# Altium PCB LimeSDR_Mini_1v2_Rounded.PcbDoc (part 2 of 5) (continued)
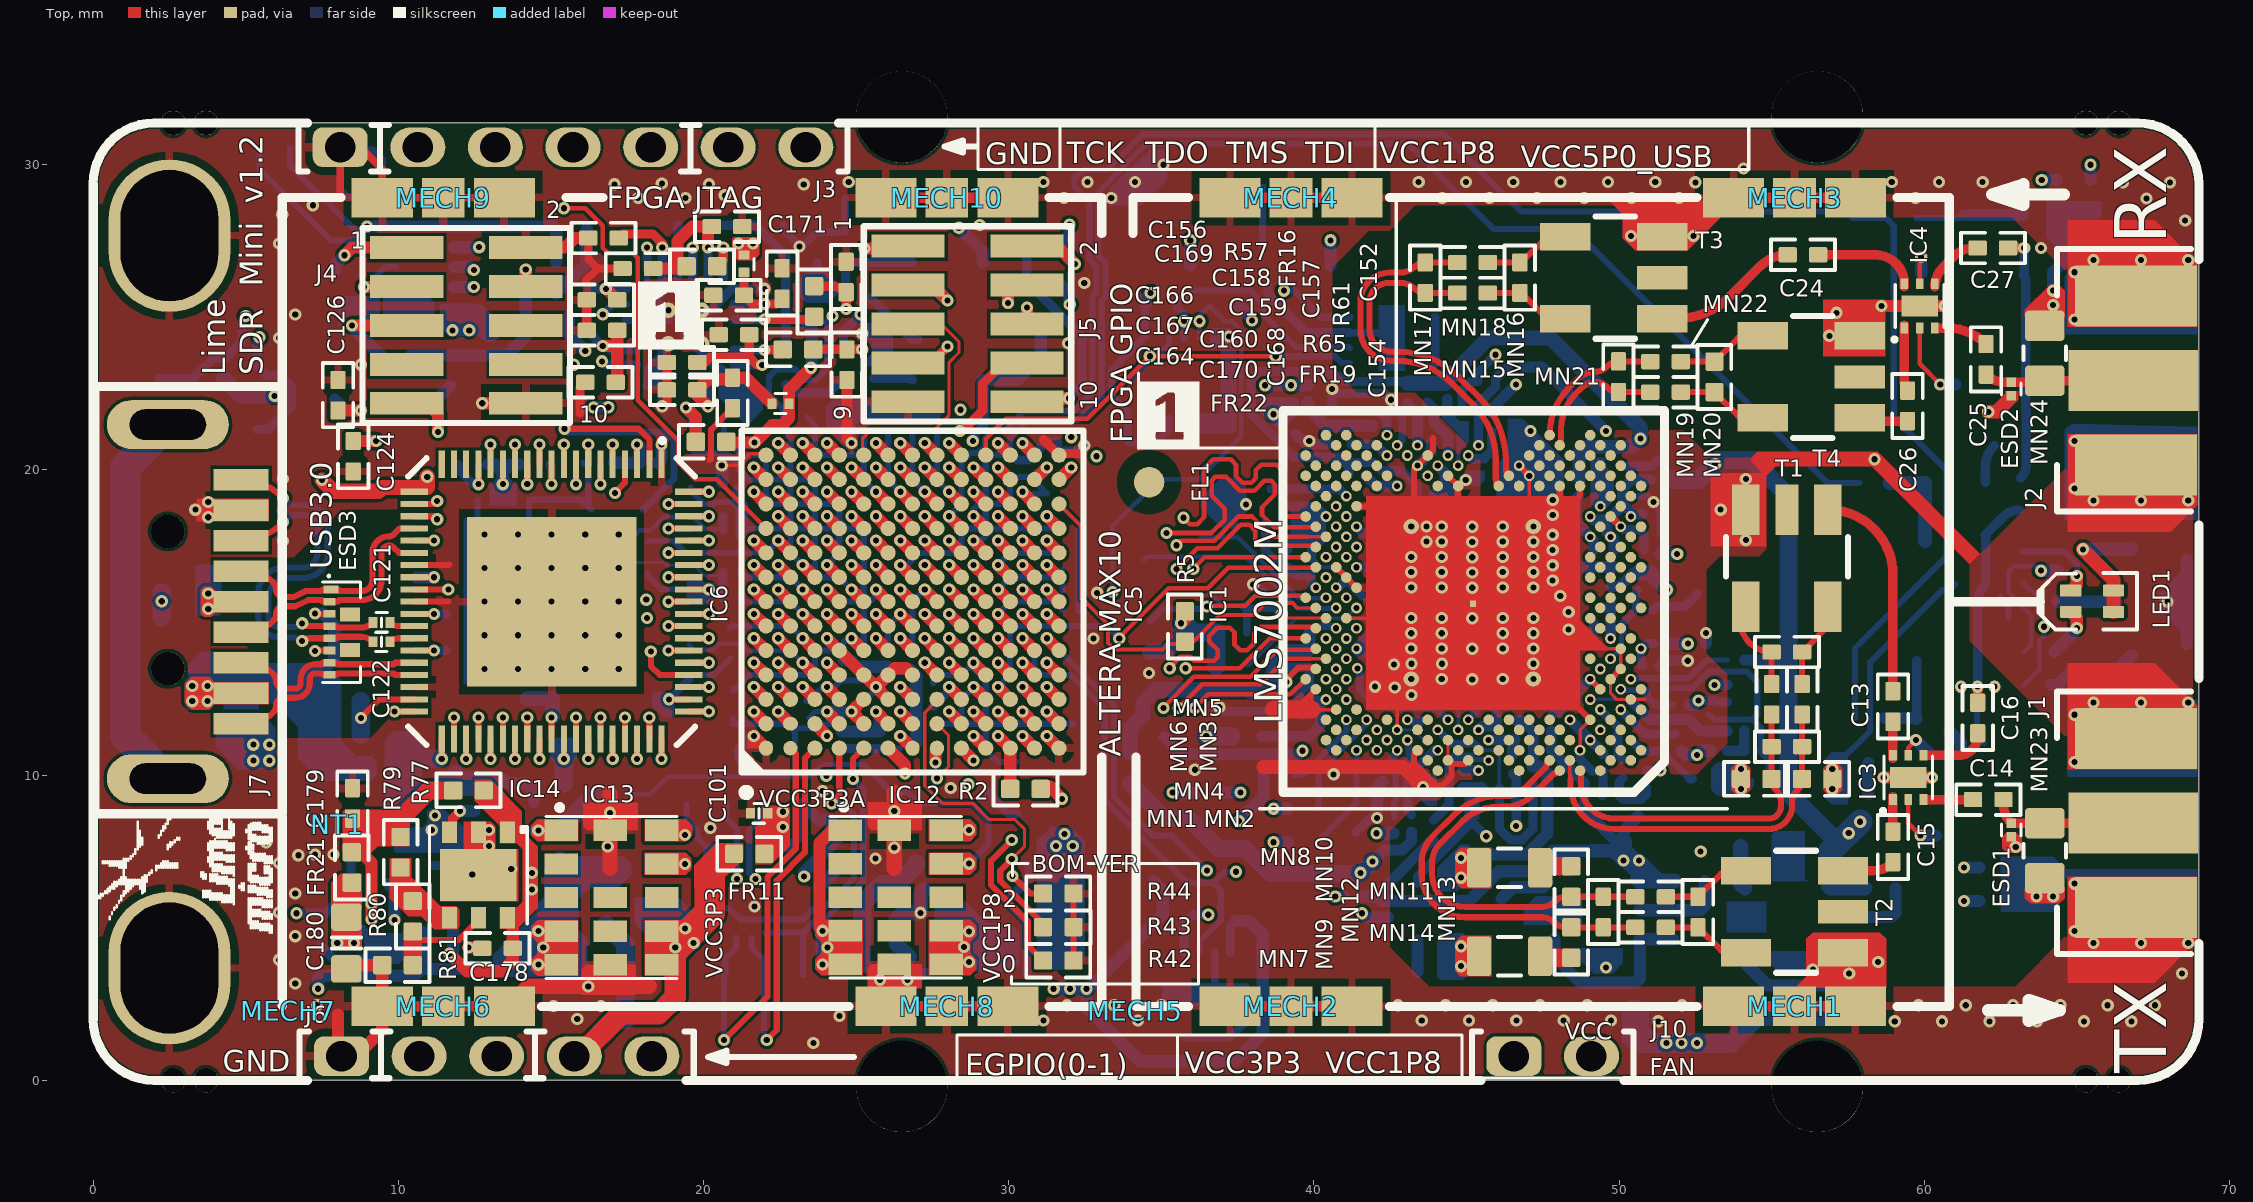
[diagram p0: Top view]
## Nets (pads, with @x,y where several pads share a name; then routed paths per layer and width w, separated by ;. In a path a pad name is that pad's centre, name@x,y a point inside that pad or via, vN(x,y) a via of type N, cw(c..) or ccw(c..) an arc to the next point about the centre after c; other vN are vias at no path point) (continued)
FPGA_GPIO0: IC5.A11 J5.1 | length 12.7
  Top w0.4: v2(21.65,19.285) IC5.A11@22.05,18.885 ; v1(25.275,27.26) J5.1@26.7,27.26
  L5 w0.1: v2(21.65,19.285) 21.1,19.835 21.1,20.317 20.92,20.497 20.92,21.216 22.475,22.771 22.475,23.675 22.65,23.85 22.65,25.675 23.95,26.975 24.99,26.975 v1(25.275,27.26)
FPGA_GPIO1: IC5.B10 J5.2 | length 20.7
  Top w0.4: v2(22.45,18.485) IC5.B10@22.85,18.085 ; J5.2@30.6,27.335 31.59,27.335 v1(32.175,26.75)
  L5 w0.1: v2(22.45,18.485) 22.1,18.835 22.1,19.33 21.795,19.635 21.605,19.635 21.3,19.94 21.3,20.4 21.12,20.58 21.12,21.133 22.675,22.688 22.675,23.592 22.85,23.767 22.85,25.592 24.008,26.75 v1(32.175,26.75)
FPGA_GPIO2: IC5.C10 J5.3 | length 16.5
  Top w0.4: v2(23.25,18.485) IC5.C10@23.65,18.085 ; J5.3@26.7,26.06 27.49,26.06 v1(28,25.55)
  L5 w0.1: v2(23.25,18.485) 22.9,18.835 22.9,19.33 22.495,19.735 22.305,19.735 22.1,19.94 22.1,20.13 21.773,20.457 21.623,20.457 21.32,20.76 21.32,21.05 22.875,22.605 22.875,23.509 23.05,23.684 23.05,25.509 24.005,26.465 26.701,26.465 27.616,25.55 v1(28,25.55)
FPGA_GPIO3: IC5.D11 J5.4 | length 16.7
  Top w0.4: v2(24.05,19.285) IC5.D11@24.45,18.885 ; v1(29.975,25.475) J5.4@29.975,26.06
  L5 w0.1: v2(24.05,19.285) 23.6,19.735 23.105,19.735 22.8,20.04 22.8,20.23 22.595,20.435 22.405,20.435 22.1,20.74 22.1,21.547 23.075,22.522 23.075,23.426 23.25,23.601 23.25,25.426 24.088,26.265 26.618,26.265 27.808,25.075 29.575,25.075 v1(29.975,25.475)
FPGA_GPIO4: IC5.E13 J5.5 | length 8.2
  Top w0.1: IC5.E13@25.25,20.485 25.217,20.518 25.217,21.042 25.493,21.318 27.57,21.318 28.05,21.798 28.05,23.525 28.375,23.85 28.375,24.2 27.79,24.785 J5.5@26.7,24.785
FPGA_GPIO5: IC5.F13 J5.6 | length 18.5
  Top w0.4: v2(25.65,20.885) IC5.F13@26.05,20.485 ; J5.6@30.6,24.785 v1(30.6,25.325)
  L5 w0.1: v2(25.65,20.885) 25.3,20.535 25.3,20.04 24.995,19.735 23.905,19.735 23.7,19.94 23.7,20.13 23.295,20.535 23.105,20.535 22.85,20.79 22.85,22 23.9,23.05 23.9,23.55 23.45,24 23.45,25.344 24.156,26.05 26.55,26.05 27.725,24.875 29.87,24.875 30.32,25.325 v1(30.6,25.325)
FPGA_GPIO6: IC5.F10 J5.7 | length 15.3
  Top w0.3: J5.7@26.7,23.51 27.46,23.51 v1(28,24.05)
  Top w0.4: v2(25.65,18.485) IC5.F10@26.05,18.085
  L5 w0.1: v2(25.65,18.485) 26.075,18.91 26.075,21.8 25.8,22.075 25.042,22.075 24.3,22.817 24.3,23.716 23.85,24.166 23.85,25.178 24.297,25.625 26.409,25.625 27.984,24.05 v1(28,24.05)
FPGA_GPIO7: IC5.G10 J5.8 | length 8.6
  Top w0.3: v1@28.425,21.225 29.15,21.95 29.15,22.825 29.835,23.51 J5.8@30.6,23.51
  Top w0.4: v2(26.45,18.485) IC5.G10@26.85,18.085
  L5 w0.1: v2(26.45,18.485) 26.85,18.885 26.85,21.075 27.05,21.275 v1(28.4,21.275)
FPGA_I2C_SCL: IC5.D13 IC8.2 IC10.6 R66.2 | length 26.2
  Top w0.4: v2(24.05,20.885) IC5.D13@24.45,20.485
  L5 w0.1: v2(24.05,20.885) 24.1,20.935 24.1,23.633 23.65,24.083 23.65,25.261 24.239,25.85 26.467,25.85 27.692,24.625 35.5,24.625 v1(35.75,24.875)
  Bottom w0.2: R66.2@35.475,25.375 35.975,25.875 37.925,25.875 38.225,25.575 38.225,25.544 38.3,25.469 38.3,25.146 39.421,24.025 41.15,24.025 IC10.6@41.175,24
  Bottom w0.25: R66.2@35.475,25.375 35.75,25.1 v1(35.75,24.875) IC8.2@35.75,24.325
FPGA_I2C_SDA: IC5.K13 IC8.1 IC10.5 R64.2 | length 15.9
  Top w0.15: IC5.K13@29.192,20.543 IC5.K13@29.25,20.485 29.25,21.015 29.91,21.675 32.575,21.675 v1(34.625,23.725) v1(38.75,23.725)
  Bottom w0.2: R64.2@33.9,22.9 34.625,23.625 v1(34.625,23.725) 34.875,23.725 35.25,24.1 IC8.1@35.25,24.325 ; v1(38.75,23.725) 40.692,23.725 40.917,23.5 IC10.5@41.175,23.5
FPGA_JTAG_TCK: IC5.G2 J3.2 J4.1 R39.1 | length 45.4
  Top w0.4: v1(8.235,27.035) 8.485,27.285 J4.1@10.275,27.285 ; v2(26.45,12.085) IC5.G2@26.85,11.685
  L4 w0.1: v1(8.235,27.035) 8.525,26.745 8.525,25.209 9.567,24.167 10.012,23.72 10.012,19.87 10.425,19.458 10.425,10.683 11.283,9.825 12.369,9.825 12.844,9.35 20.217,9.35 21.967,7.6 23.675,7.6 25.75,9.675 25.75,11.385 v2(26.45,12.085)
  L6 w0.1: v1(8.235,27.035) 8.535,27.035 10.639,29.139 J3.2@10.639,30.475
  Bottom w0.4: R39.1@7.925,26.55 7.925,26.725 v1(8.235,27.035)
FPGA_JTAG_TDI: IC5.F5 J3.5 J4.9 R36.1 | length 47.1
  Top w0.4: J4.9@10.275,22.185 10.94,22.185 11.3,21.825 v1(11.3,21.25) ; v2(25.65,14.485) IC5.F5@26.05,14.085
  L5 w0.1: v1(11.3,21.25) 11.3,19.575 10.775,19.05 10.775,10.55 11.9,9.425 22.9,9.425 23.45,9.975 v1(24.025,9.975)
  L6 w0.1: v1(11.3,21.25) 11.3,22.72 13.225,24.645 13.225,27.1 15.25,29.125 16.03,29.125 17.38,30.475 J3.5@18.268,30.475 ; v1(24.025,9.975) 24.45,10.4 24.45,13.285 v2(25.65,14.485)
  Bottom w0.4: v1(11.3,21.25) 11.3,22.35 R36.1@11.7,22.75
FPGA_JTAG_TDO: IC5.F6 J3.3 J4.3 | length 48.4
  Top w0.4: v1(8.875,26) 10.265,26 J4.3@10.275,26.01 ; v2(25.65,15.285) IC5.F6@26.05,14.885
  L4 w0.1: v1(8.875,26) 8.875,25.142 9.771,24.246 9.771,24.245 10.212,23.803 10.212,19.953 10.625,19.541 10.625,10.766 11.366,10.025 12.452,10.025 12.927,9.55 20.3,9.55 22.05,7.8 23.592,7.8 25.55,9.758 25.55,11.45 25.2,11.8 25.2,12.23 24.705,12.725 24.705,14.135 24.5,14.34 24.5,14.63 24.705,14.835 25.16,14.835 25.61,15.285 v2(25.65,15.285)
  L6 w0.1: v1(8.875,26) 9.025,26.15 9.025,27.225 12.275,30.475 J3.3@13.182,30.475
FPGA_JTAG_TMS: IC5.G1 J3.4 J4.5 R34.1 | length 49.2
  Top w0.4: v1(8.485,24.735) J4.5@10.275,24.735 ; v2(26.45,11.285) IC5.G1@26.85,10.885
  L4 w0.1: v1(8.485,24.735) 8.715,24.735 9.812,23.638 9.812,19.788 10.225,19.375 10.225,10.6 11.2,9.625 12.286,9.625 12.761,9.15 20.134,9.15 21.884,7.4 23.758,7.4 25.95,9.592 25.95,10.785 v2(26.45,11.285)
  L6 w0.1: v1(8.485,24.735) 9.225,25.475 9.225,27.125 11.85,29.75 13.75,29.75 14.475,30.475 J3.4@15.725,30.475
  Bottom w0.4: v1(8.485,24.735) 8.485,24.69 R34.1@9.425,23.75
FPGA_LED_G: IC5.D8 R46.2 R70.2 R73.2 | length 63.1
  Top w0.4: v2(24.05,16.885) IC5.D8@24.45,16.485
  L4 w0.1: v1@31.975,21.025 32.4,21.45 35.025,21.45 38.225,24.65 55.875,24.65 v1(63.825,16.7)
  L5 w0.1: v2(24.05,16.885) 24.485,16.45 25.05,16.45 25.275,16.675 25.275,17.075 25.5,17.3 25.782,17.3 26,17.518 26,17.9 26.15,18.05 27.425,18.05 27.65,17.825 27.65,17.575 27.9,17.325 28.2,17.325 28.425,17.1 28.425,16.675 28.6,16.5 29.05,16.5 29.225,16.675 29.225,19.375 29.55,19.7 29.875,19.7 31.25,21.075 v1(32.05,21.075)
  Bottom w0.15: R70.2@63.275,14.05 63.5,14.275 63.5,15.238 62.75,15.988 62.75,16.662 62.938,16.85 63.675,16.85 v1(63.825,16.7)
  Bottom w0.2: R46.2@20.675,21.475 20.675,21.065 21.255,20.485 21.816,20.485 22.05,20.251 22.05,19.919 22.284,19.685 22.616,19.685 22.85,19.451 22.85,19.119 23.084,18.885 23.416,18.885 23.65,18.651 23.65,18.275 23.84,18.085 24.216,18.085 24.45,17.851 24.45,17.285 v2(24.05,16.885)
  Bottom w0.4: v1(63.825,16.7) R73.2@64.375,16.7
FPGA_LED_R: IC5.B9 R45.2 R72.2 R75.2 | length 77.3
  Top w0.4: v2(22.45,17.685) IC5.B9@22.85,17.285
  L4 w0.1: v1(32.875,20.45) 34.308,20.45 38.308,24.45 55.792,24.45 63.175,17.067 63.175,15.612 v1(63.925,14.863)
  L5 w0.1: v1(15.75,23.45) 16.25,22.95 17.05,22.95 17.55,22.45 17.55,22.15 18.25,21.45 18.725,21.45 19.3,20.875 19.3,19.425 19.8,18.925 20.675,18.925 21.45,18.15 21.985,18.15 v2(22.45,17.685)
  L6 w0.1: v1(15.75,23.45) 15.75,24.02 16.14,24.41 16.95,24.41 17.075,24.535 22.29,24.535 22.925,23.9 23.825,23.9 24.35,23.375 24.35,22.925 25,22.275 26.05,22.275 26.3,22.025 27.525,22.025 28.025,22.525 31.25,22.525 32.875,20.9 v1(32.875,20.45)
  Bottom w0.15: R72.2@63.225,16.325 63.775,15.775 63.775,15.325 63.925,15.175 v1(63.925,14.863) 63.925,14.55 63.775,14.4 63.775,13.461 R75.2@63.264,12.95
  Bottom w0.19: R45.2@18.175,17.65 18.205,17.68 19.014,17.68 19.409,17.285 22.05,17.285
  Bottom w0.2: 22.05,17.285 v2(22.45,17.685)
FPGA_QSPI_FLASH_SS: IC5.E1 IC11.1 IC11A.1 | length 9.9
  Top w0.2: v1(24.9,9.875) 24.9,10.535 IC5.E1@25.25,10.885
  Bottom w0.2: IC11.1@22.025,4.842 23.255,4.842 ; IC11A.1@23.255,3.45 23.255,4.842 ; v1(24.9,9.875) 25.236,9.539 25.236,6.518 24.058,5.34 23.753,5.34 23.255,4.842
FPGA_QSPI_IO0: IC5.D1 IC11.5 IC11A.5 | length 14.4
  Top w0.2: v1(24.2,9.075) 24.45,9.325 IC5.D1@24.45,10.885
  Bottom w0.2: IC11A.5@19.445,9.05 19.445,8.551 19.8,8.196 19.8,7.95 20.087,7.663 ; IC11.5@20.575,7.625 20.538,7.663 20.087,7.663 ; v1(24.2,9.075) 24.55,9.075 24.936,8.689 24.936,6.642 23.934,5.64 23.629,5.64 23.264,5.275 21.2,5.275 20.835,5.64 20.435,5.64 20.087,5.988 20.087,7.663
FPGA_QSPI_IO1: IC5.C1 IC11.2 IC11A.2 | length 13.8
  Top w0.2: v1(22.075,1.325) 22.4,1.65 22.4,6.543 23.325,7.468 23.325,10.56 IC5.C1@23.65,10.885
  Bottom w0.2: IC11.2@21.575,4.675 21.575,4.342 21.842,4.075 21.85,4.075 21.985,3.94 IC11A.2@21.985,3.45 21.985,1.415 v1(22.075,1.325)
FPGA_QSPI_IO2: IC5.B1 IC11.3 IC11A.3 | length 14.1
  Top w0.2: v1(20.675,1.325) 22.1,2.75 22.1,6.667 23.025,7.592 23.025,10.71 IC5.B1@22.85,10.885
  Bottom w0.2: v1(20.675,1.325) 20.675,3.41 IC11A.3@20.715,3.45 20.715,4.015 20.775,4.075 20.808,4.075 21.075,4.342 IC11.3@21.075,4.675
FPGA_QSPI_IO3: IC5.H1 IC11.7 IC11A.7 | length 11.8
  Top w0.4: v1@27.6,10.45 27.6,10.835 IC5.H1@27.65,10.885
  L4 w0.1: v1(21.7,6.6) 22.242,6.6 22.867,5.975 23.558,5.975 24.4,6.817 24.4,7.476 26.099,9.175 26.3,9.175 26.95,9.825 26.95,10.15 27.219,10.419 v1(27.6,10.419)
  Bottom w0.2: v1(21.7,6.6) 21.5,6.8 21.5,8.2 21.985,8.685 IC11A.7@21.985,9.05
FPGA_QSPI_SCLK: IC5.F1 IC11.6 IC11A.6 | length 11.7
  Top w0.4: IC5.F1@26.05,10.885 26.6,10.335 v1(26.6,10.05)
  L4 w0.1: v1(21.1,6.6) 21.45,6.95 22.175,6.95 22.95,6.175 23.475,6.175 24.2,6.9 24.2,7.559 26.6,9.959 v1(26.6,10.05)
  Bottom w0.2: IC11A.6@20.715,9.05 20.775,9.05 20.775,8.55 21.1,8.225 v1(21.1,6.6)
FPGA_SPI_DAC_SS: IC5.K8 IC9.1 | length 26.8
  Top w0.4: v2(28.85,16.885) IC5.K8@29.25,16.485
  L4 w0.1: v1(12.65,27.3) 17.35,27.3 18.515,26.135 19.807,26.135 21.557,24.385 23.51,24.385 25.395,22.5 27.475,22.5 28,21.975 v1(28.425,21.975)
  L5 w0.1: v1(28.425,21.975) 29.15,21.975 30,21.125 30,20.74 30,20.675 29.775,20.45 29.425,20.45 29.25,20.275 29.25,19.875 29.05,19.675 28.65,19.675 28.45,19.475 28.45,17.525 28.85,17.125 v2(28.85,16.885)
  Bottom w0.4: IC9.1@11.825,27.3 v1(12.65,27.3)
FPGA_SPI_LMS_SS: IC5.J5 R9.2 | length 12.3
  Top w0.4: v2(28.05,14.485) IC5.J5@28.45,14.085
  L4 w0.1: v2(28.05,14.485) 28.435,14.1 28.93,14.1 29.225,13.805 29.225,11.1 29.95,10.375 34.428,10.375 v1(35.375,9.428)
  Bottom w0.4: v1(35.375,9.428) R9.2@36.1,9.428
FPGA_SPI_MISO: IC5.J6 R8.2 | length 18.3
  Top w0.4: v2(28.05,15.285) IC5.J6@28.45,14.885
  L4 w0.1: v2(28.05,15.285) 27.6,14.835 27.105,14.835 26.9,14.63 26.9,14.325 27.09,14.135 28.095,14.135 28.425,13.805 28.425,11.215 28.715,10.925 29.1,10.925 29.85,10.175 34.125,10.175 35.397,8.903 v1(38.675,8.903)
  Bottom w0.4: v1(38.675,8.903) R8.2@39.15,8.903
FPGA_SPI_MOSI: IC5.J7 IC9.3 R7.2 | length 77.1
  Top w0.4: v2(28.05,16.085) IC5.J7@28.45,15.685
  L4 w0.1: v2(28.05,16.085) 27.785,16.085 27.335,15.635 27.105,15.635 26.825,15.355 26.825,15.165 26.495,14.835 26.305,14.835 26.1,14.63 26.1,14.3 27.7,12.7 27.7,11.633 28.35,10.983 28.35,10.275 28.498,10.127 28.825,10.127 28.977,9.975 34.042,9.975 35.517,8.5 v1(37.55,8.5)
  L5 w0.1: v1(12.475,26) 11.284,26 10.125,24.841 10.125,22.295 8.925,21.095 8.925,20.733 9.475,20.183 9.475,13.066 9.471,13.066 8.425,12.02 8.425,11.7 9.475,10.65 9.475,9.957 10.1,9.332 10.1,7.814 10.664,7.25 13.2,7.25 13.4,7.45 14.75,7.45 14.95,7.25 17.925,7.25 18.35,7.675 21.21,7.675 22.91,5.975 26.05,5.975 27.45,4.575 27.45,3.875 28.15,3.175 28.975,3.175 30.725,4.925 30.725,7.955 31.495,8.725 37.325,8.725 v1(37.55,8.5)
  Bottom w0.4: IC9.3@11.825,26 v1(12.475,26) ; v1(37.55,8.5) 38.35,9.3 R7.2@38.35,10.003
FPGA_SPI_SCLK: IC5.K5 IC9.2 R6.2 | length 54.2
  Top w0.4: v2(28.85,14.485) IC5.K5@29.25,14.085
  L4 w0.1: v1(12.475,26.55) 13.362,25.662 13.362,25.188 15.725,22.825 17.408,22.825 18.1,22.133 18.1,21.8 18.45,21.45 20.3,21.45 21.15,22.3 27.355,22.3 28.03,21.625 29.405,21.625 30,21.03 30,20.74 29.795,20.535 29.605,20.535 29.2,20.13 29.2,19.14 28.995,18.935 28.805,18.935 28.5,18.63 28.5,18.44 28.095,18.035 27.905,18.035 27.6,17.73 27.6,16.74 27.395,16.535 27.205,16.535 26.8,16.13 26.8,15.94 26.595,15.735 26.385,15.735 26.1,15.45 26.1,15.24 25.695,14.835 25.505,14.835 25.3,14.63 25.3,14.34 25.515,14.125 25.992,14.125 27.5,12.617 27.5,11.55 28.15,10.9 28.15,10.125 28.575,9.7 v1(28.675,9.7) ; v1@28.782,9.775 33.959,9.775 35.932,7.803 v1(38.675,7.803)
  L5 w0.1: v1(28.675,9.7) 28.45,9.925 28.45,13.825 28.85,14.225 v2(28.85,14.485)
  Bottom w0.4: IC9.2@11.825,26.65 12.375,26.65 v1(12.475,26.55) ; v1(38.675,7.803) R6.2@39.15,7.803
FT_BE0: IC5.B11 IC6.4 | length 15.7
  Top w0.2: v1(17.1,19.25) 17.425,19.575 IC6.4@17.425,20.185
  Top w0.4: v2(22.45,19.285) IC5.B11@22.85,18.885
  L6 w0.1: v1(17.1,19.25) 17.1,18.7 16.55,18.15 16.55,16.45 16.7,16.3 17.925,16.3 18.1,16.475 18.1,19.196 18.539,19.635 19.307,19.635 20.372,20.7 20.95,20.7 21.215,20.435 22.595,20.435 22.8,20.23 22.8,19.635 v2(22.45,19.285)
FT_BE1: IC5.C12 IC6.5 | length 14.1
  Top w0.2: IC6.5@17.025,20.185 v1(17.025,20.835)
  Top w0.4: v2(23.25,20.085) IC5.C12@23.65,19.685
  L6 w0.1: v1(17.025,20.835) 16.9,20.835 16.45,20.385 16.45,20.175 16.525,20.1 17.028,20.1 17.628,19.5 17.839,19.5 18,19.661 18,20.475 18.175,20.65 18.315,20.65 18.525,20.44 18.525,20.125 18.615,20.035 18.86,20.035 18.975,20.15 18.975,20.95 19.125,21.1 19.275,21.1 19.425,20.95 19.425,20.75 19.55,20.625 19.732,20.625 19.875,20.768 19.875,20.962 20.013,21.1 20.9,21.1 21,21.2 21,21.517 21.083,21.6 22.95,21.6 23.05,21.5 23.05,21.18 22.875,21.005 22.875,20.46 v2(23.25,20.085)
FT_BE2: IC5.A12 IC6.6 | length 14.6
  Top w0.2: v1(16.625,19.535) IC6.6@16.625,20.185
  Top w0.4: v2(21.65,20.085) IC5.A12@22.05,19.685
  L6 w0.1: v1(16.625,19.535) 16.36,19.535 16.15,19.325 16.15,18.5 15.675,18.025 15.675,16.35 15.925,16.1 18.05,16.1 18.3,16.35 18.3,19.113 18.622,19.435 19.39,19.435 20.455,20.5 20.85,20.5 21.265,20.085 v2(21.65,20.085)
FT_BE3: IC5.B13 IC6.7 | length 15.6
  Top w0.2: IC6.7@16.225,20.185 v1(16.225,20.835)
  Top w0.4: v2(22.45,20.885) IC5.B13@22.85,20.485
  L6 w0.1: v1(16.225,20.835) 16.21,20.835 16.21,20.702 15.983,20.475 15.983,20.092 16.175,19.9 16.945,19.9 17.45,19.395 17.45,18.725 16.8,18.075 16.8,17.5 17.115,17.185 17.76,17.185 17.9,17.325 17.9,19.278 18.457,19.835 19.224,19.835 20.289,20.9 21.1,20.9 21.225,21.025 21.225,21.25 21.375,21.4 22.55,21.4 22.675,21.275 22.675,21.11 v2(22.45,20.885)
FT_CLK: IC5.G9 IC6.58 | length 14.5
  Top w0.2: IC6.58@19.525,12.085 v1(20.175,12.085)
  Top w0.4: v2(26.45,17.685) IC5.G9@26.85,17.285
  L5 w0.1: v1(20.175,12.085) 19.8,11.71 19.8,11.1 19.975,10.925 23.425,10.925 23.625,11.125 23.625,12.325 23.775,12.475 24.225,12.475 24.45,12.7 24.45,13.1 25.25,13.9 25.25,16.225 25.5,16.475 25.75,16.475 26.075,16.8 26.075,17.31 v2(26.45,17.685)
FT_D0: IC5.A2 IC6.40 | length 15.2
  Top w0.2: IC6.40@11.825,11.185 v1@11.825,11.835
  Top w0.4: v2(21.65,12.085) IC5.A2@22.05,11.685
  L4 w0.1: v1(11.825,11.885) 11.575,11.635 11.575,11.35 12.025,10.9 18.755,10.9 19.28,10.375 22.25,10.375 22.525,10.65 22.525,11.425 21.865,12.085 v2(21.65,12.085)
FT_D1: IC5.B6 IC6.41 | length 19.6
  Top w0.2: v1(12.225,10.535) IC6.41@12.225,11.185
  Top w0.4: v2(22.45,15.285) IC5.B6@22.85,14.885
  L4 w0.1: v1(12.225,10.535) 12.985,9.775 23.035,9.775 23.7,10.44 23.7,10.445 23.905,10.65 23.91,10.65 24.4,11.14 24.4,13.83 24.095,14.135 23.905,14.135 23.7,14.34 23.7,14.53 23.355,14.875 22.86,14.875 v2(22.45,15.285)
FT_D2: IC5.B3 IC6.42 | length 16
  Top w0.2: IC6.42@12.625,11.185 v1@12.625,11.835
  Top w0.4: v2(22.45,12.885) IC5.B3@22.85,12.485
  L4 w0.1: v1(12.625,11.885) 12.485,11.885 12.25,11.65 12.25,11.35 12.5,11.1 18.838,11.1 19.363,10.575 22.009,10.575 22.325,10.891 22.325,11.342 21.932,11.735 21.505,11.735 21.3,11.94 21.3,12.23 21.505,12.435 22,12.435 v2(22.45,12.885)
FT_D3: IC5.B5 IC6.43 | length 17
  Top w0.2: v1(13.025,10.535) IC6.43@13.025,11.185
  Top w0.4: v2(22.45,14.485) IC5.B5@22.85,14.085
  L4 w0.1: v1(13.025,10.535) 13.585,9.975 22.925,9.975 23.675,10.725 23.675,13.8 23.375,14.1 22.835,14.1 v2(22.45,14.485)
FT_D4: IC5.A3 IC6.44 | length 14.9
  Top w0.2: IC6.44@13.425,11.185 v1@13.425,11.835
  Top w0.4: v2(21.65,12.885) IC5.A3@22.05,12.485
  L4 w0.1: v1(13.425,11.885) 13.425,11.45 13.575,11.3 14.135,11.3 14.36,11.525 15.05,11.525 15.275,11.3 15.925,11.3 16.16,11.535 16.89,11.535 17.125,11.3 17.75,11.3 17.985,11.535 18.686,11.535 19.446,10.775 21.225,10.775 21.375,10.925 21.375,11.065 21.215,11.225 20.675,11.225 20.525,11.375 20.525,11.625 20.675,11.775 20.925,11.775 21.075,11.925 21.075,12.125 20.925,12.275 20.7,12.275 20.525,12.45 20.525,12.7 20.71,12.885 v2(21.65,12.885)
FT_D5: IC5.B4 IC6.45 | length 15.9
  Top w0.2: v1(13.825,10.535) IC6.45@13.825,11.185
  Top w0.4: v2(22.45,13.685) IC5.B4@22.85,13.285
  L4 w0.1: v1(13.825,10.535) 14.185,10.175 22.675,10.175 22.85,10.35 22.85,10.85 22.975,10.975 23.375,10.975 23.475,11.075 23.475,11.4 23.375,11.5 23.025,11.5 22.825,11.7 22.825,11.875 23.025,12.075 23.4,12.075 23.475,12.15 23.475,12.4 23.34,12.535 22.99,12.535 22.825,12.7 22.825,13.31 v2(22.45,13.685)
FT_D6: IC5.E6 IC6.46 | length 15.1
  Top w0.2: IC6.46@14.225,11.185 v1@14.225,11.835
  Top w0.4: v2(24.85,15.285) IC5.E6@25.25,14.885
  L4 w0.1: v1(14.225,11.885) 14.59,12.25 18.4,12.25 18.575,12.075 19.325,12.075 19.825,12.575 19.825,13.03 20.03,13.235 21.86,13.235 22.1,13.475 22.1,15.43 22.305,15.635 24.5,15.635 v2(24.85,15.285)
FT_D7: IC5.A4 IC6.47 | length 15.9
  Top w0.2: v1(14.625,10.535) IC6.47@14.625,11.185
  Top w0.4: v2(21.65,13.685) IC5.A4@22.05,13.285
  L6 w0.1: v1(14.625,10.535) 14.625,10.225 14.375,9.975 13.7,9.975 13.4,10.275 13.4,11.275 13.65,11.525 15.15,11.525 15.875,10.8 15.875,10.2 16.125,9.95 19.6,9.95 21.175,11.525 21.175,13.21 v2(21.65,13.685)
FT_D8: IC5.B12 IC6.50 | length 14.4
  Top w0.2: IC6.50@15.825,11.185 v1@15.825,11.835
  Top w0.4: v2(22.45,20.085) IC5.B12@22.85,19.685
  L6 w0.1: v1(15.825,11.885) 15.825,12.55 16.525,13.25 16.525,13.854 16.856,14.185 17.76,14.185 18.5,14.925 18.5,19.03 18.705,19.235 19.63,19.235 20.03,19.635 22,19.635 v2(22.45,20.085)
FT_D9: IC5.H8 IC6.51 | length 18.2
  Top w0.2: v1(16.225,10.535) IC6.51@16.225,11.185
  Top w0.4: v2(27.25,16.885) IC5.H8@27.65,16.485
  L6 w0.1: v1(16.225,10.535) 16.59,10.9 19.701,10.9 20.575,11.774 20.575,13.766 20.9,14.091 20.9,15.03 21.555,15.685 23.345,15.685 23.65,15.38 23.65,15.11 23.825,14.935 24.195,14.935 24.5,15.24 24.5,15.43 24.755,15.685 25.01,15.685 25.275,15.95 25.275,16.205 25.545,16.475 25.825,16.475 26.025,16.675 26.025,17.1 26.2,17.275 26.86,17.275 v2(27.25,16.885)
FT_D10: IC5.E9 IC6.52 | length 16.2
  Top w0.2: IC6.52@16.625,11.185 v1@16.625,11.835
  Top w0.4: v2(24.85,17.685) IC5.E9@25.25,17.285
  L6 w0.1: v1(16.625,11.885) 17.175,11.335 19.368,11.335 19.575,11.542 19.575,13.58 20.13,14.135 20.32,14.135 20.6,14.415 20.6,15.53 21.505,16.435 23.49,16.435 23.65,16.275 23.65,15.875 23.84,15.685 24.26,15.685 24.425,15.85 24.425,16.21 24.69,16.475 25.05,16.475 25.275,16.7 25.275,17.05 24.85,17.475
FT_D11: IC5.B2 IC6.53 | length 17.5
  Top w0.2: v1(17.025,10.535) IC6.53@17.025,11.185
  Top w0.4: v2(22.45,12.085) IC5.B2@22.85,11.685
  L5 w0.1: v1(17.025,10.535) 17.025,10.075 16.825,9.875 13.575,9.875 13.425,10.025 13.425,10.725 13.585,10.885 15.01,10.885 15.4,11.275 15.4,12.625 15.625,12.85 19.375,12.85 19.75,12.475 20.75,12.475 21.575,11.65 22.015,11.65 v2(22.45,12.085)
FT_D12: IC5.D9 IC6.54 | length 16.4
  Top w0.2: IC6.54@17.425,11.185 v1@17.425,11.835
  Top w0.4: v2(24.05,17.685) IC5.D9@24.45,17.285
  L6 w0.1: v1(17.425,11.885) 17.425,11.675 17.565,11.535 18.985,11.535 19.15,11.7 19.15,12.01 19.025,12.135 18.64,12.135 18.35,12.425 18.35,12.75 18.535,12.935 19.21,12.935 19.375,13.1 19.375,13.667 19.803,14.095 19.803,16.208 20.03,16.435 21.11,16.435 21.3,16.625 21.3,17.05 21.5,17.25 23.4,17.25 23.65,17 23.65,16.625 23.8,16.475 24.225,16.475 24.4,16.65 24.4,17.335 v2(24.05,17.685)
FT_D13: IC5.J9 IC6.55 | length 18.2
  Top w0.2: v1(17.825,10.535) IC6.55@17.825,11.185
  Top w0.4: v2(28.05,17.685) IC5.J9@28.45,17.285
  L6 w0.1: v1(17.825,10.535) 18.21,10.15 19.517,10.15 20.975,11.608 20.975,13.6 21.475,14.1 23.4,14.1 23.675,13.825 23.675,13.5 23.85,13.325 24.185,13.325 25.3,14.44 25.3,14.63 25.595,14.925 25.875,14.925 26.05,15.1 26.05,15.4 26.335,15.685 27.345,15.685 27.7,16.04 27.7,16.23 27.97,16.5 28.25,16.5 28.425,16.675 28.425,17.31 v2(28.05,17.685)
FT_D14: IC5.A9 IC6.56 | length 15
  Top w0.2: IC6.56@18.225,11.185 v1@18.225,11.835
  Top w0.4: v2(21.65,17.685) IC5.A9@22.05,17.285
  L6 w0.1: v1(18.225,11.885) 17.86,12.25 16.35,12.25 16.2,12.4 16.2,12.625 16.4,12.825 16.75,12.825 16.925,13 16.925,13.2 16.725,13.4 16.725,13.771 16.939,13.985 17.49,13.985 17.725,13.75 17.725,13.2 17.9,13.025 18.25,13.025 18.45,13.225 18.45,13.55 18.635,13.735 19.16,13.735 19.603,14.178 19.603,15.218 19.6,15.221 19.6,17.15 19.75,17.3 20.3,17.3 20.685,17.685 v2(21.65,17.685)
FT_D15: IC5.H9 IC6.57 | length 16.6
  Top w0.2: v1(18.625,10.535) IC6.57@18.625,11.185
  Top w0.4: v2(27.25,17.685) IC5.H9@27.65,17.285
  L6 w0.1: v1(18.625,10.535) 19.619,10.535 20.775,11.691 20.775,13.683 21.175,14.083 21.175,14.505 21.505,14.835 23.395,14.835 23.625,14.605 23.625,14.235 23.825,14.035 24.095,14.035 24.5,14.44 24.5,14.63 24.705,14.835 24.895,14.835 25.3,15.24 25.3,15.43 25.555,15.685 25.91,15.685 26.075,15.85 26.075,16.225 26.325,16.475 27.335,16.475 27.625,16.765 27.625,17.31 v2(27.25,17.685)
FT_D16: IC5.A7 IC6.60 | length 14.4
  Top w0.2: IC6.60@19.525,12.885 v1(20.175,12.885)
  Top w0.4: v2(21.65,16.085) IC5.A7@22.05,15.685
  L5 w0.1: v1(20.175,12.885) 20.175,13.075 20.55,13.45 20.975,13.45 21.3,13.125 21.3,12.74 21.505,12.535 22.525,12.535 22.8,12.26 22.8,11.525 23,11.325 23.25,11.325 23.425,11.5 23.425,12.5 23.7,12.775 23.7,13.067 23.868,13.235 24.185,13.235 24.4,13.45 24.4,15.45 24.165,15.685 23.955,15.685 23.7,15.94 23.7,16.13 23.355,16.475 22.04,16.475 v2(21.65,16.085)
FT_D17: IC5.F8 IC6.61 | length 15.7
  Top w0.2: v1(18.275,14.05) 18.275,13.575 18.565,13.285 18.875,13.285 IC6.61@19.525,13.285
  Top w0.4: v2(25.65,16.885) IC5.F8@26.05,16.485
  L4 w0.1: v1(18.275,14.05) 17.825,14.05 17.625,13.85 17.625,13.325 17.85,13.1 19.075,13.1 19.525,13.55 19.525,14.725 19.675,14.875 20.363,14.875 20.55,14.688 20.55,14.475 20.675,14.35 20.875,14.35 21.075,14.55 21.075,16.075 21.45,16.45 25.5,16.45 25.65,16.6 v2(25.65,16.885)
FT_D18: IC5.A6 IC6.62 | length 14.4
  Top w0.2: IC6.62@19.525,13.685 v1(20.175,13.685)
  Top w0.4: v2(21.65,15.285) IC5.A6@22.05,14.885
  L5 w0.1: v1(20.175,13.685) 20.235,13.685 20.4,13.85 20.975,13.85 21.59,13.235 23.585,13.235 23.7,13.35 23.7,15.55 23.515,15.735 23.11,15.735 22.875,15.5 22.875,14.415 22.595,14.135 21.505,14.135 20.525,15.115 20.525,15.775 20.675,15.925 20.884,15.925 21.524,15.285 v2(21.65,15.285)
FT_D19: IC5.E10 IC6.63 | length 14.4
  Top w0.2: v1@18.875,14.085 IC6.63@19.525,14.085
  Top w0.4: v2(24.85,18.485) IC5.E10@25.25,18.085
  L6 w0.1: v1(18.85,14.085) 19.21,14.085 19.403,14.278 19.403,15.135 19.4,15.138 19.4,17.675 19.8,18.075 20.35,18.075 20.525,18.25 20.525,18.857 20.718,19.05 20.875,19.05 20.975,18.95 20.975,18.05 21.14,17.885 21.355,17.885 21.5,18.03 21.5,18.575 21.625,18.7 21.95,18.7 22.1,18.55 22.1,18.275 22.25,18.125 23.5,18.125 23.675,18.3 23.675,18.7 23.9,18.925 24.41,18.925 v2(24.85,18.485)
FT_D20: IC5.A5 IC6.64 | length 14.4
  Top w0.2: IC6.64@19.525,14.485 v1(20.175,14.485)
  Top w0.4: v2(21.65,14.485) IC5.A5@22.05,14.085
  L5 w0.1: v1(20.175,14.485) 19.965,14.275 19.525,14.275 19.2,14.6 19.2,15.925 19.35,16.075 19.65,16.075 19.8,16.225 19.8,16.7 19.665,16.835 18.215,16.835 17.975,17.075 17.975,17.525 18.175,17.725 19.625,17.725 20.025,17.325 20.975,17.325 21.15,17.15 21.15,15.942 21.357,15.735 21.865,15.735 22.1,15.5 22.1,14.935 v2(21.65,14.485)
FT_D21: IC5.F9 IC6.65 | length 14.8
  Top w0.2: v1@18.875,14.885 IC6.65@19.525,14.885
  Top w0.4: v2(25.65,17.685) IC5.F9@26.05,17.285
  L6 w0.1: v1(18.85,14.885) 19.06,14.885 19.2,15.025 19.2,18.2 19.925,18.925 20.31,18.925 20.685,19.3 21.14,19.3 21.54,18.9 23.45,18.9 23.7,19.15 23.7,19.475 23.9,19.675 25.8,19.675 26.025,19.45 26.025,17.96 25.75,17.685 v2(25.65,17.685)
FT_D22: IC5.E8 IC6.66 | length 17.2
  Top w0.2: IC6.66@19.525,15.285 v1(20.175,15.285)
  Top w0.4: v2(24.85,16.885) IC5.E8@25.25,16.485
  L5 w0.1: v1(20.175,15.285) 20.175,15.182 20.525,14.832 20.525,14.34 20.22,14.035 19.44,14.035 18.94,14.535 18.705,14.535 18.5,14.74 18.5,15.15 18.5,16.25 17.775,16.975 17.775,17.775 18.45,18.45 19.025,18.45 19.44,18.035 20.69,18.035 21.39,17.335 23.51,17.335 23.7,17.525 23.7,17.86 23.875,18.035 24.195,18.035 24.4,17.83 24.4,17.335 v2(24.85,16.885)
FT_D23: IC5.A8 IC6.67 | length 14.6
  Top w0.2: v1@18.875,15.685 IC6.67@19.525,15.685
  Top w0.4: v2(21.65,16.885) IC5.A8@22.05,16.485
  L4 w0.1: v1(18.85,15.685) 18.5,16.035 18.5,18.55 18.375,18.675 17.825,18.675 17.625,18.475 17.625,14.7 17.89,14.435 19.135,14.435 19.325,14.625 19.325,15.425 19.585,15.685 20.402,15.685 21.602,16.885 v2(21.65,16.885)